# Altium PCB Copy of PCB_V0.0.PcbDoc (part 1 of 2)
Units mm, origin at the board's own origin, x right, y up, seen from the top; angles counter-clockwise.
Board outline 199 x 99 mm, 2 copper layers (Top Layer, Bottom Layer); 323 components, 326 nets, 1579 pads, 48 vias.
Unrouted connection lines stored in the file: 934.
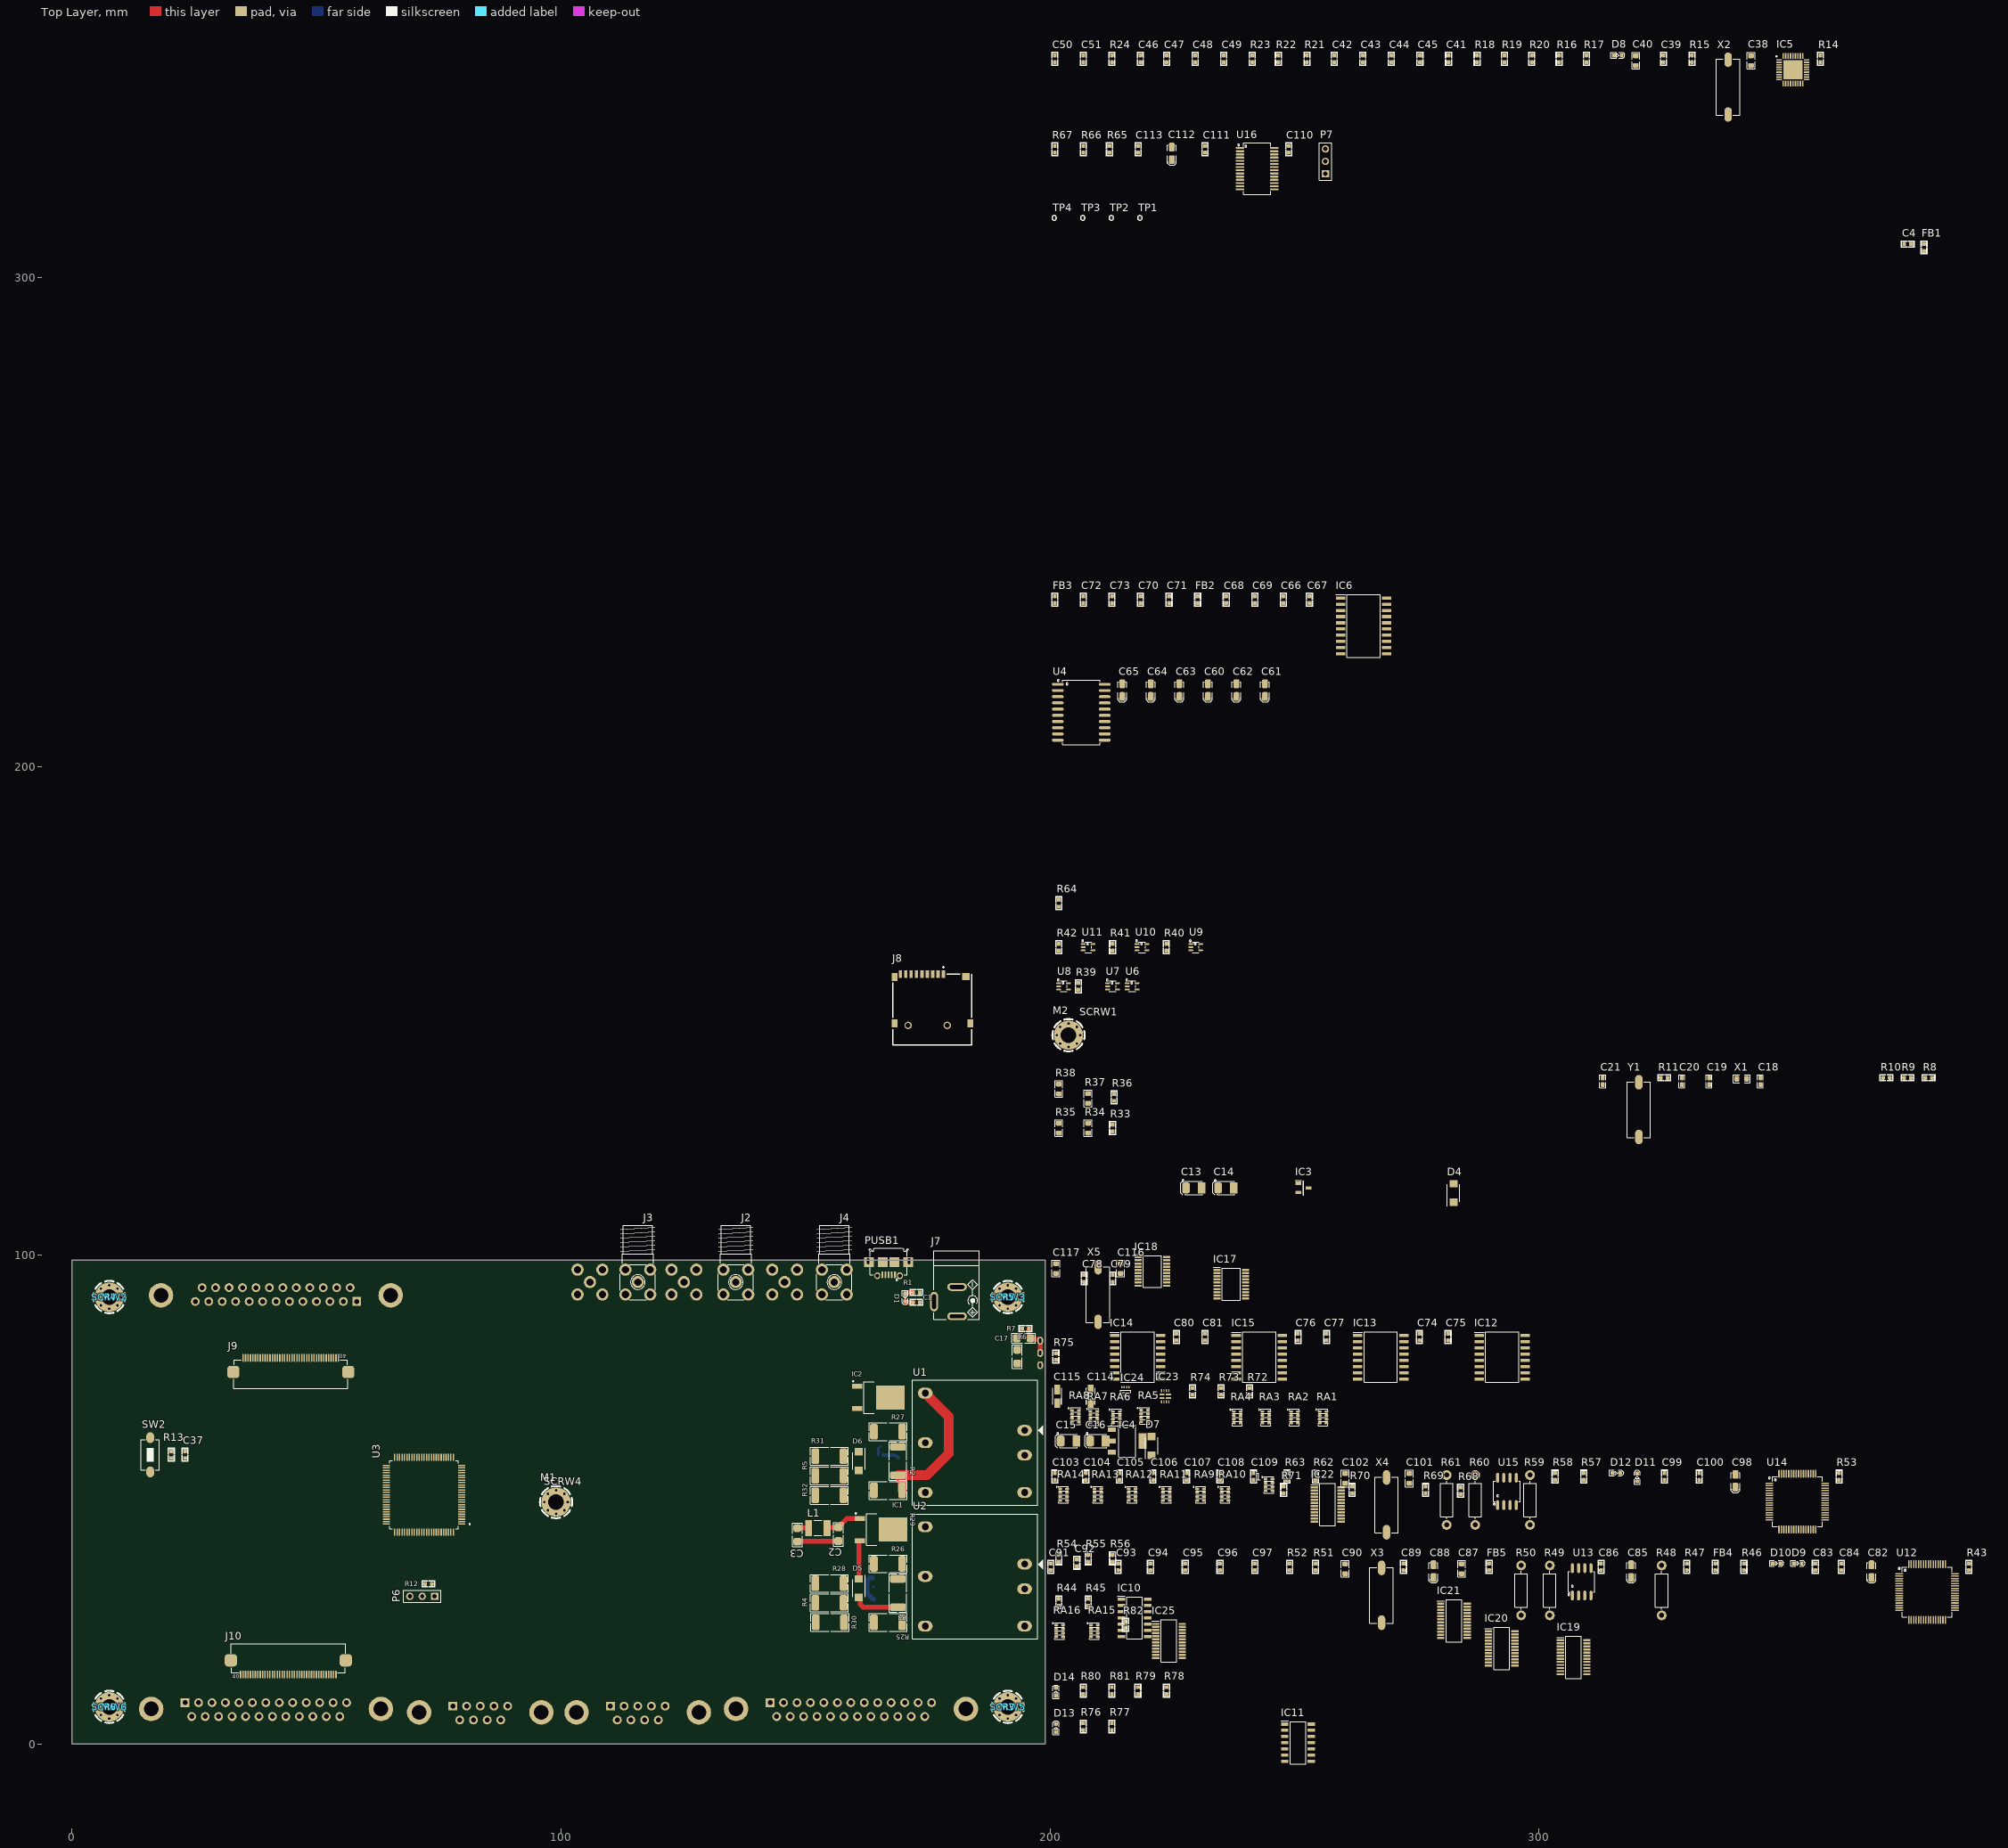
[diagram p0: Top Layer view]
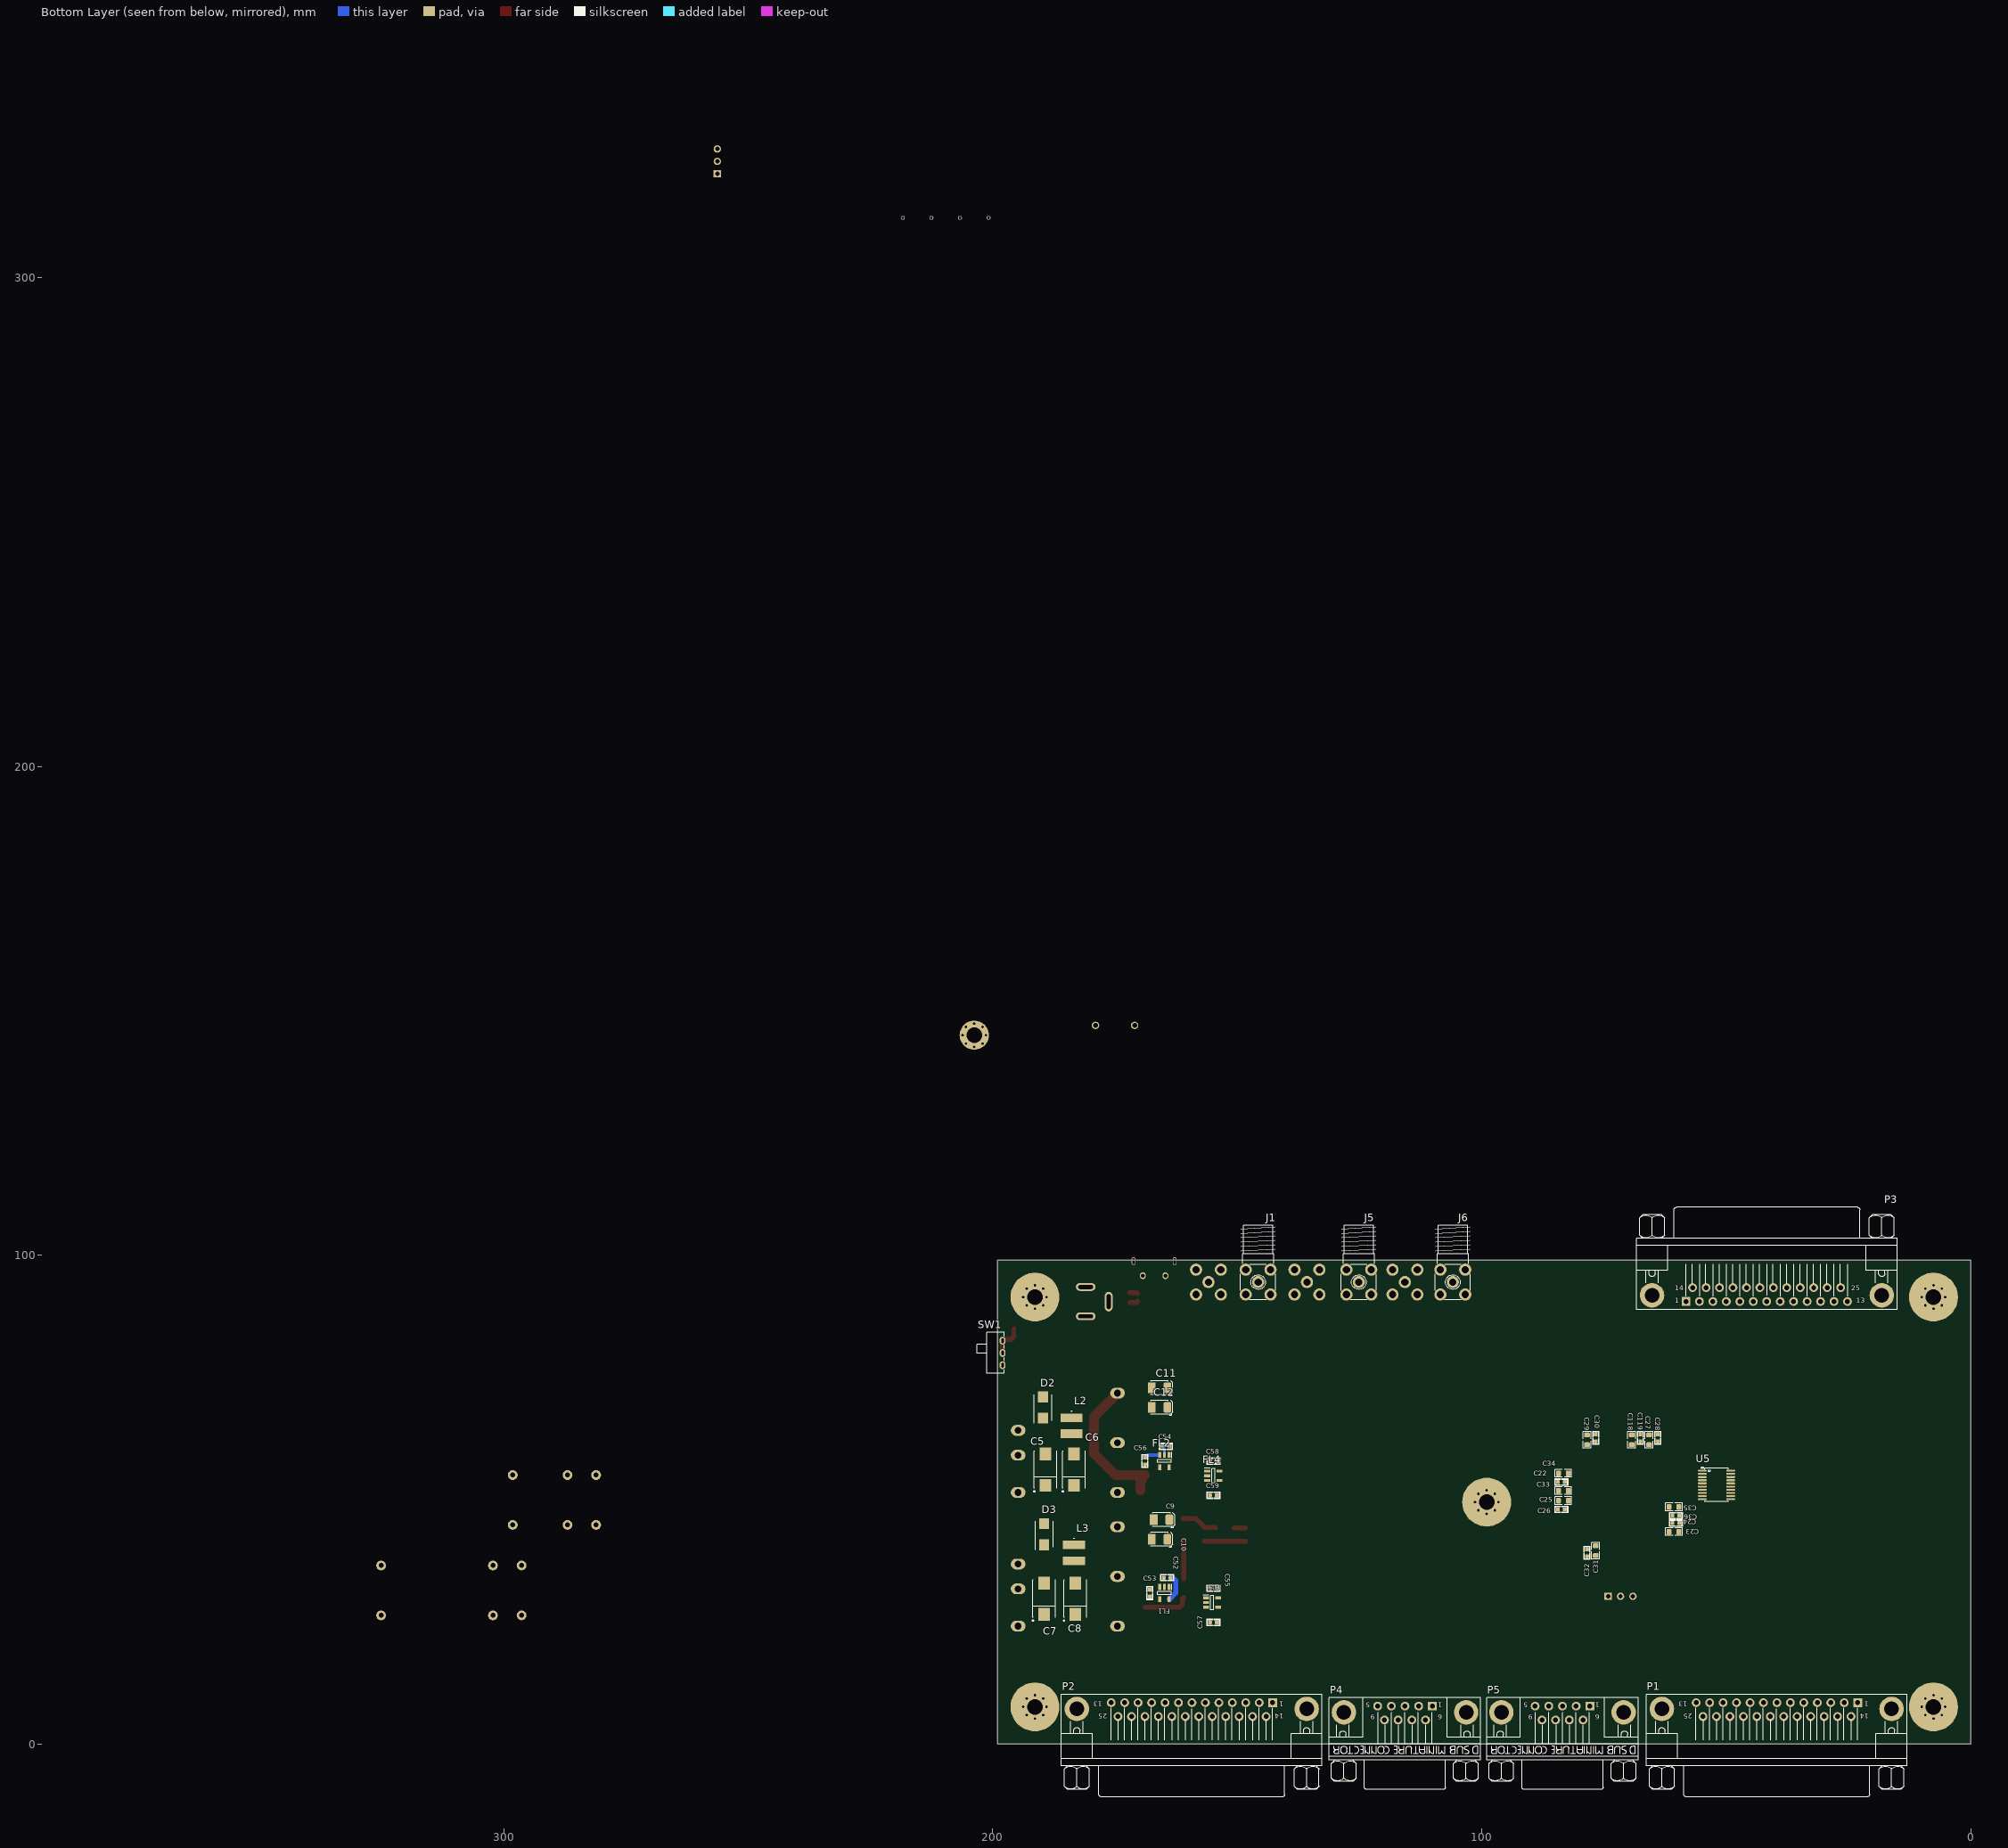
[diagram p1: Bottom Layer view, seen from below]

## Layer stack, top to bottom
Top Solder: solder mask 0.0102, Solder Resist, Dk 3.5
Top Layer: signal copper 0.0356
Dielectric 1: dielectric 0.32, FR-4, Dk 4.8
Bottom Layer: signal copper 0.0356
Bottom Solder: solder mask 0.0102, Solder Resist, Dk 3.5

## Board outline
0,0 0,99 199,99 199,0

## Design rules (kind name [scope] priority, off if disabled: settings)
Clearance "Clearance_SMD PACKS" [All] p1: gap=0.254 ignorepadtopadclearanceinfootprint=FALSE except(0: Arc-Hole Track-Hole SMDPad-Hole THPad-Hole Via-Hole Fill-Hole Poly-Hole Region-Hole Text-Hole; 0.1: SMDPad-SMDPad)
Clearance Clearance_1 [All] p2: gap=0.254 ignorepadtopadclearanceinfootprint=FALSE except(0: Arc-Hole Track-Hole SMDPad-Hole THPad-Hole Via-Hole Fill-Hole Poly-Hole Region-Hole Text-Hole; 0.127: SMDPad-SMDPad)
ComponentClearance [All] p1: gap=0.2 collisioncheckmode=3 verticalgap=0.254 showdistances=FALSE
PolygonConnect [All] p1: connectstyle=Relief reliefconductorwidth=0.254 reliefentries=4 polygonreliefangle="90 Angle" airgapwidth=0.254
RoutingLayers RoutingLayers_1 [All] p1: top layer_v5=TRUE bottom layer_v5=TRUE
RoutingLayers [All] p2: top layer_v5=TRUE bottom layer_v5=TRUE
RoutingVias [All] p1: holewidth=0.711 width=1.27 viastyle="Through Hole" minholewidth=0.711 minwidth=1.27 maxholewidth=0.711 maxwidth=1.27
SolderMaskExpansion [All] p1: expansion=0.102 istentingtop=FALSE
Width [All] p1: maxlimit=10 minlimit=0.254 preferedwidth=0.254 minimp=50.000000 maximp=50.000000 favimp=50.000000
28 further rules are at their usual default settings.

## Classes and differential pairs
component class "Display ": IC7 IC8 IC9
component class "Sync Out": R40 R41 R42 U9 U10 U11
component class "Sync In": R75 U6 U7 U8
component class "Mode Switch": IC7 IC17 IC18
component class "MCU GPIO": U5
component class Buffers: IC9 IC10 IC11
component class "screw and Hole": 3 M1 M2 M3 M4 M5 M6 SCRW1 SCRW2 SCRW3 SCRW4 SCRW5 SCRW6
component class FT2232HL_IN: C82 C83 C84 C85 C86 C87 C88 C89 C90 C91 C92 C93 C94 C95 C96 C97 D9 D10 D13 FB4 FB5 R43 R44 R45 R46 R47 R48 R49 R50 R51 R52 R76 R77 U12 U13 X3
component class FT2232HL_OUT: C98 C99 C100 C101 C102 C103 C104 C105 C106 C107 C108 C109 D11 D12 D14 R53 R54 R55 R56 R57 R58 R59 R60 R61 R62 R63 R78 R79 R80 R81 U14 U15 X4
component class "On Board Terminals": J9 J10
component class "Power Switch": C17 C114 C115 IC23 IC24 R6 R7 R39 R72 R73 R74 SW1
component class RS485: C66 C67 C68 C69 C70 C71 C72 C73 FB2 FB3 IC6 R36 R37 R38
component class "BIT(Built in Test)": C52 C53 C54 C55 C56 C57 C58 C59 FL1 FL2 FL3 FL4 R25 R26 R27 R28 R29 R30 R31 R32
component class "USB HUB": C38 C39 C40 C41 C42 C43 C44 C45 C46 C47 C48 C49 C50 C51 D8 IC5 R14 R15 R16 R17 R18 R19 R20 R21 R22 R23 R24 X2
component class "Test Points": TP1 TP2 TP3 TP4
component class Terminals: C4 FB1 J1 J2 J3 J4 J5 J6 J7 P1 P2 P3 P4 P5 PUSB1
component class Isolators: C74 C75 C76 C77 C78 C79 C80 C81 IC8 IC12 IC13 IC14 IC15
component class RS232: C60 C61 C62 C63 C64 C65 R33 R34 R35 U4
component class Memory: J8
component class "MCU 1": C18 C19 C20 C21 C22 C23 C24 C25 C26 C27 C28 C29 C30 C31 C32 C33 C34 C35 C36 C37 C118 C119 P6 R8 R9 R10 R11 R12 R13 SW2 U3 X1 Y1
component class "Main Power": C5 C6 C7 C8 C9 C10 C11 C12 C13 C14 C15 C16 D2 D3 D4 D5 D6 D7 IC1 IC2 IC3 IC4 L2 L3 R2 R3 R4 R5 U1 U2
component class "Level Shifting": 1 IC16 IC19 IC20 IC21 IC22 IC25 R68 R69 R70 R71 R82 RA1 RA2 RA3 RA4 RA5 RA6 RA7 RA8 RA9 RA10 RA11 RA12 RA13 RA14 RA15 RA16
component class USB_TTL: C110 C111 C112 C113 C116 C117 P7 R64 R65 R66 R67 U16 X5
component class "AUX Power": C1 C2 C3 D1 L1 R1

## Components (designator, comment, footprint, x,y, rotation, side; value= is the part's Value field where it differs from the comment)
1 "Film Res Pack" RP0603X4 244.794,52.996 r0 top value=10K
C1 "1uF" 0603 172.682,90.366 r180 top
C2 "Capacitor C SMD 1206" C1206#1 156.718,42.926 r90 top value=100nf
C3 "Capacitor C SMD 1206" C1206#1 148.336,42.796 r90 top value=100nf
C4 "10nF" C0603#1 375.378,306.822 r0 top
C5 "Capacitor Tantalum SMD" Cap_D 189.23,56.134 r90 bottom value=220uf
C6 "Capacitor Tantalum SMD" Cap_D 183.388,56.134 r90 bottom value=220uf
C7 "Capacitor Tantalum SMD" Cap_D 189.484,29.718 r90 bottom value=220uf
C8 "Capacitor Tantalum SMD" Cap_D 183.134,29.718 r90 bottom value=220uf
C9 "0.22uF" C_TN_3528 165.492,45.888 r0 bottom
C10 "0.22uF" C_TN_3528 165.892,41.888 r0 bottom
C11 "0.22uF" C_TN_3528 165.892,72.888 r0 bottom
C12 "0.22uF" C_TN_3528 165.892,68.888 r0 bottom
C13 "0.1uF" C_TN_3528 229.404,113.757 r0 top
C14 "0.1uF" C_TN_3528 235.983,113.757 r0 top
C15 "10uF" C_TN_3528 203.794,61.996 r0 top
C16 "10uF" C_TN_3528 209.794,61.996 r0 top
C17 "100nF" C1206#2 194.6,83 r0 top
C18 "Capacitor C SMD 0603" C0603#2 345.254,135.576 r90 top value=20Pf
C19 "Capacitor C SMD 0603" C0603#2 334.789,135.576 r90 top value=20Pf
C20 "Capacitor C SMD 0603" C0603#2 329.201,135.576 r90 top value=20pf
C21 "Capacitor C SMD 0603" C0603#2 313.021,135.576 r90 top value=20pf
C22 "1uF" C0805 83.328,55.372 r0 bottom
C23 "4.7uF" C0805 60.706,43.434 r180 bottom
C24 "100nF" C0603#1 60.306,45.212 r180 bottom
C25 "4.7uF" C0805 83.328,49.784 r0 bottom
C26 "100nF" C0603#1 83.728,48.006 r0 bottom
C27 "4.7uF" C0805 65.786,62.23 r90 bottom
C28 "100nF" C0603#1 64.008,62.63 r90 bottom
C29 "4.7uF" C0805 78.486,62.23 r90 bottom
C30 "100nF" C0603#1 76.708,62.63 r90 bottom
C31 "4.7uF" C0805 76.723,39.546 r270 bottom
C32 "100nF" C0603#1 78.486,39.116 r270 bottom
C33 "?uF" C0805 83.328,51.816 r0 bottom
C34 "?nF" C0603#1 83.728,53.594 r0 bottom
C35 "2.2uF" C0805 60.706,48.514 r180 bottom
C36 "100nF" C0603#1 60.306,46.736 r180 bottom
C37 "100nF" C0603#1 23.114,59.182 r270 top
C38 "30PF" C0805 343.349,344.338 r90 top
C39 "100nF" 0603 325.442,344.719 r90 top
C40 "30PF" C0805 319.803,344.338 r90 top
C41 "0.1uF" 0603 281.5,344.719 r90 top
C42 "100nF" 0603 258.132,344.719 r90 top
C43 "1.0uF-16V" 0603 263.974,344.719 r90 top
C44 "100nF" 0603 269.816,344.719 r90 top
C45 "1.0uF-16V" 0603 275.658,344.719 r90 top
C46 "100nF" 0603 218.508,344.719 r90 top
C47 "100nF" 0603 223.842,344.719 r90 top
C48 "100nF" 0603 229.684,344.719 r90 top
C49 "100nF" 0603 235.526,344.719 r90 top
C50 "100nF" 0603 200.982,344.719 r90 top
C51 "1.0uF-16V" 0603 206.824,344.719 r90 top
C52 "100nF" C0603#1 164.338,34.036 r180 bottom
C53 "100nF" C0603#1 167.892,30.888 r90 bottom
C54 "100nF" C0603#1 164.592,60.888 r180 bottom
C55 "100nF" C0603#1 154.892,31.888 r180 bottom
C56 "100nF" C0603#1 168.892,57.888 r90 bottom
C57 "100nF" C0603#1 154.892,24.888 r0 bottom
C58 "100nF" C0603#1 154.892,57.888 r180 bottom
C59 "100nF" C0603#1 154.892,50.888 r0 bottom
C60 "0.1uF-16V" C_TN_3216 232.3,215.586 r90 top
C61 "0.1uF-10V" C_TN_3216 243.958,215.586 r90 top
C62 "0.1uF-10V" C_TN_3216 238.116,215.586 r90 top
C63 "0.1uF-16V" C_TN_3216 226.458,215.586 r90 top
C64 "0.1uF-16V" C_TN_3216 220.616,215.586 r90 top
C65 "0.1uF-16V" C_TN_3216 214.774,215.586 r90 top
C66 "100nF" C0603#1 247.718,234.077 r90 top
C67 "10nF" C0603#1 253.052,234.077 r90 top
C68 "100nF" C0603#1 236.034,234.077 r90 top
C69 "10nF" C0603#1 241.876,234.077 r90 top
C70 "100nF" C0603#1 218.508,234.077 r90 top
C71 "10uF" C0603#1 224.35,234.077 r90 top
C72 "100nF" C0603#1 206.824,234.077 r90 top
C73 "10uF" C0603#1 212.666,234.077 r90 top
C74 "100nF" C0603#1 275.556,83.252 r90 top
C75 "100nF" C0603#1 281.398,83.252 r90 top
C76 "100nF" C0603#1 250.715,83.252 r90 top
C77 "100nF" C0603#1 256.557,83.252 r90 top
C78 "100nF" C0603#1 206.982,95.252 r90 top
C79 "100nF" C0603#1 212.824,95.252 r90 top
C80 "100nF" C0603#1 225.848,83.252 r90 top
C81 "100nF" C0603#1 231.69,83.252 r90 top
C82 "4.7uF" C_TN_3216 367.987,35.373 r90 top
C83 "100nF" 0603 356.506,36.236 r90 top
C84 "100nF" 0603 361.84,36.236 r90 top
C85 "4.7uF" C_TN_3216 318.838,35.373 r90 top
C86 "100nF" 0603 312.691,36.236 r90 top
C87 "30PF" C0805 284.167,35.855 r90 top
C88 "4.7uF" C_TN_3216 278.426,35.373 r90 top
C89 "100nF" 0603 272.279,36.236 r90 top
C90 "30PF" C0805 260.367,35.855 r90 top
C91 "100nF" 0603 200.152,36.26 r90 top
C92 "100nF" 0603 205.486,37.084 r90 top
C93 "100nF" 0603 213.936,36.236 r90 top
C94 "100nF" 0603 220.54,36.236 r90 top
C95 "100nF" 0603 227.652,36.236 r90 top
C96 "100nF" 0603 234.764,36.236 r90 top
C97 "100nF" 0603 241.876,36.236 r90 top
C98 "4.7uF" C_TN_3216 340.174,53.864 r90 top
C99 "100nF" 0603 325.645,54.727 r90 top
C100 "100nF" 0603 332.757,54.727 r90 top
C101 "30PF" C0805 273.499,54.346 r90 top
C102 "30PF" C0805 260.367,54.346 r90 top
C103 "100nF" 0603 200.982,54.727 r90 top
C104 "100nF" 0603 207.332,54.727 r90 top
C105 "100nF" 0603 214.19,54.727 r90 top
C106 "100nF" 0603 221.048,54.727 r90 top
C107 "100nF" 0603 227.906,54.727 r90 top
C108 "100nF" 0603 234.764,54.727 r90 top
C109 "100nF" 0603 241.622,54.727 r90 top
C110 "100nF" 0603 248.81,326.228 r90 top
C111 "100nF" 0603 231.716,326.228 r90 top
C112 "4.7uF" C_TN_3216 224.908,325.364 r90 top
C113 "100nF" 0603 218,326.228 r90 top
C114 "Capacitor Tantalum SMD" Cap_A 208.322,71.136 r90 top value=100nf
C115 "Capacitor Tantalum SMD" Cap_A 201.464,71.136 r90 top value=100nf
C116 "30PF" C0805 214.418,97.298 r90 top
C117 "30PF" C0805 201.21,97.298 r90 top
C118 "2.2uF" C0805 69.342,62.23 r90 bottom
C119 "100nF" C0603#1 67.564,62.63 r90 bottom
D1 "LED603RED" LED0603RED 170.382,91.366 r270 top
D2 "SS510B" DIOM5336X244N 189.738,68.834 r90 bottom
D3 "SS510B" DIOM5336X244N 189.484,42.926 r90 bottom
D4 "SS24F" SODFL4626X110N 282.516,112.716 r90 top
D5 "SS24F" SODFL4626X110N 160.892,31.888 r270 top
D6 "SS24F" SODFL4626X110N 160.892,57.888 r270 top
D7 "SS24F" SODFL4626X110N 220.794,60.996 r90 top
D8 "LED603RED" LED0603RED 316.094,345.43 r0 top
D9 "TVS603" D0603 352.924,36.947 r0 top
D10 "TVS603" D0603 348.556,36.947 r0 top
D11 "TVS603" D0603 320.057,54.55 r90 top
D12 "TVS603" D0603 315.79,55.439 r0 top
D13 "LED603RED" LED0603RED 201.21,3.318 r90 top
D14 "LED603RED" LED0603RED 201.21,10.684 r90 top
FB1 "600R / 0.5A" L0603 378.731,306.111 r90 top
FB2 "600R / 0.5A" L0603 230.192,234.077 r90 top
FB3 "600R / 0.5A" L0603 200.982,234.077 r90 top
FB4 "600R / 0.5A" L0603 336.059,36.236 r90 top
FB5 "600R / 0.5A" L0603 289.805,36.236 r90 top
FL1 "INA180A3IDBVR" SOT95P280X145-5N 164.892,30.888 r270 bottom
FL2 "INA180A3IDBVR" SOT95P280X145-5N 164.892,57.888 r270 bottom
FL3 "INA180A3IDBVR" SOT95P280X145-5N 155.142,28.938 r180 bottom
FL4 "INA180A3IDBVR" SOT95P280X145-5N 154.892,54.888 r180 bottom
IC1 "LF33CDT" TO228P972X240-3N 165.442,43.888 r0 top
IC2 "LF33CDT" TO228P972X240-3N 164.892,70.888 r0 top
IC3 "MCP1700T-3302E_TT_1" SOT95P237X112-3N 251.832,113.757 r0 top
IC4 "LD1117S18CTR" SOT230P700X180-4N 215.794,61.996 r0 top
IC5 "USB2514B-AEZG" QFN50P600X600X100-37N-D 351.934,342.484 r0 top
IC6 "ADM2587EBRWZ" SOIC127P1032X265-20N 264.151,228.717 r0 top
IC10 "SN74LVC07AD" SOIC127P600X175-14N 217.288,25.81 r0 top
IC11 "SN74LVC07AD" SOIC127P600X175-14N 250.712,0.27 r0 top
IC12 "ADUM1400BRWZ-RL" SOIC127P1032X265-16N 292.498,79.137 r0 top
IC13 "ADUM1400BRWZ-RL" SOIC127P1032X265-16N 267.657,79.137 r0 top
IC14 "ADUM1400BRWZ-RL" SOIC127P1032X265-16N 217.923,79.137 r0 top
IC15 "ADUM1400BRWZ-RL" SOIC127P1032X265-16N 242.79,79.137 r0 top
IC17 "TMUX1134PWR" SOP65P640X120-20N 237.062,94.075 r0 top
IC18 "TMUX1134PWR" SOP65P640X120-20N 220.938,96.675 r0 top
IC19 "SN74LVC8T245DBQR" SOP64P600X175-24N 307.086,17.78 r0 top
IC20 "SN74LVC8T245DBQR" SOP64P600X175-24N 292.354,19.558 r0 top
IC21 "SN74LVC8T245DBQR" SOP64P600X175-24N 282.62,25.21 r0 top
IC22 "SN74LVC8T245DBQR" SOP64P600X175-24N 256.794,48.996 r0 top
IC23 "TPS2121RUXR" TPS2121RUXR 223.562,71.136 r0 top
IC24 "TPS2116DRLR" SOTFL50P160X60-8N 215.434,72.152 r90 top
IC25 "SN74LVC8T245DBQR" SOP64P600X175-24N 224.324,21.098 r0 top
J1 "Right Angel SMA" SMA_RA 145.732,94.5 r180 bottom
J2 "Right Angel SMA" SMA_RA 135.748,94.5 r0 top
J3 "Right Angel SMA" SMA_RA 115.721,94.5 r0 top
J4 "Right Angel SMA" SMA_RA 155.896,94.5 r0 top
J5 "Right Angel SMA" SMA_RA 125.142,94.5 r180 bottom
J6 "Right Angel SMA" SMA_RA 105.927,94.5 r180 bottom
J7 "DC_POWER_JACK" JAC_PWR2 181,87.5 r0 top locked
J8 "ST-TF-003A" ST-TF-003A 175.95,157.5 r0 top
J9 "FPC50 40" FPC50_40 44.75,79 r180 top
J10 "FPC50 40" FPC50_40 44.24,14.224 r0 top
L1 "Inductor SMD NC 1812" L1812 152.532,44.196 r180 top value=1uH
L2 "CD43-4.7uH" CD43NP220MC 183.896,65.125 r0 bottom
L3 "CD43-4.7uH" CD43NP220MC 183.388,39.116 r0 bottom
M1 "DNP/MH" SCMH_M3#1 99,49.5 r0 top
M2 "DNP/MH" SCMH_M3#2 203.794,144.996 r0 top
M3 "DNP/MH" SCMH_M3#3 191.38,7.62 r0 top
M4 "DNP/MH" SCMH_M3#1 7.62,91.44 r0 top
M5 "DNP/MH" SCMH_M3#1 191.38,91.44 r0 top
M6 "DNP/MH" SCMH_M3#1 7.62,7.62 r0 top
P1 "DSUB_25RF" DSUB_25RF 39.688,7.2 r0 bottom
P2 "DSUB_25RF" DSUB_25RF 159.312,7.2 r0 bottom
P3 "DSUB_25RF" DSUB_25RF 41.691,91.8 r180 bottom locked